# Altium PCB DDR3.PcbDoc (part 6 of 6)
Units mm, origin at the board's own origin, x right, y up, seen from the top; angles counter-clockwise.
Board outline 67.6 x 30 mm, 8 copper layers (L1 Top, L2 GND, L3 Sig, L4 (PWR), L5 (PWR), L6 Sig, L7 GND, L8 Bot), stack 1.714 mm thick; 216 components, 253 nets, 1243 pads, 806 vias.
Unrouted connection lines stored in the file: 13.
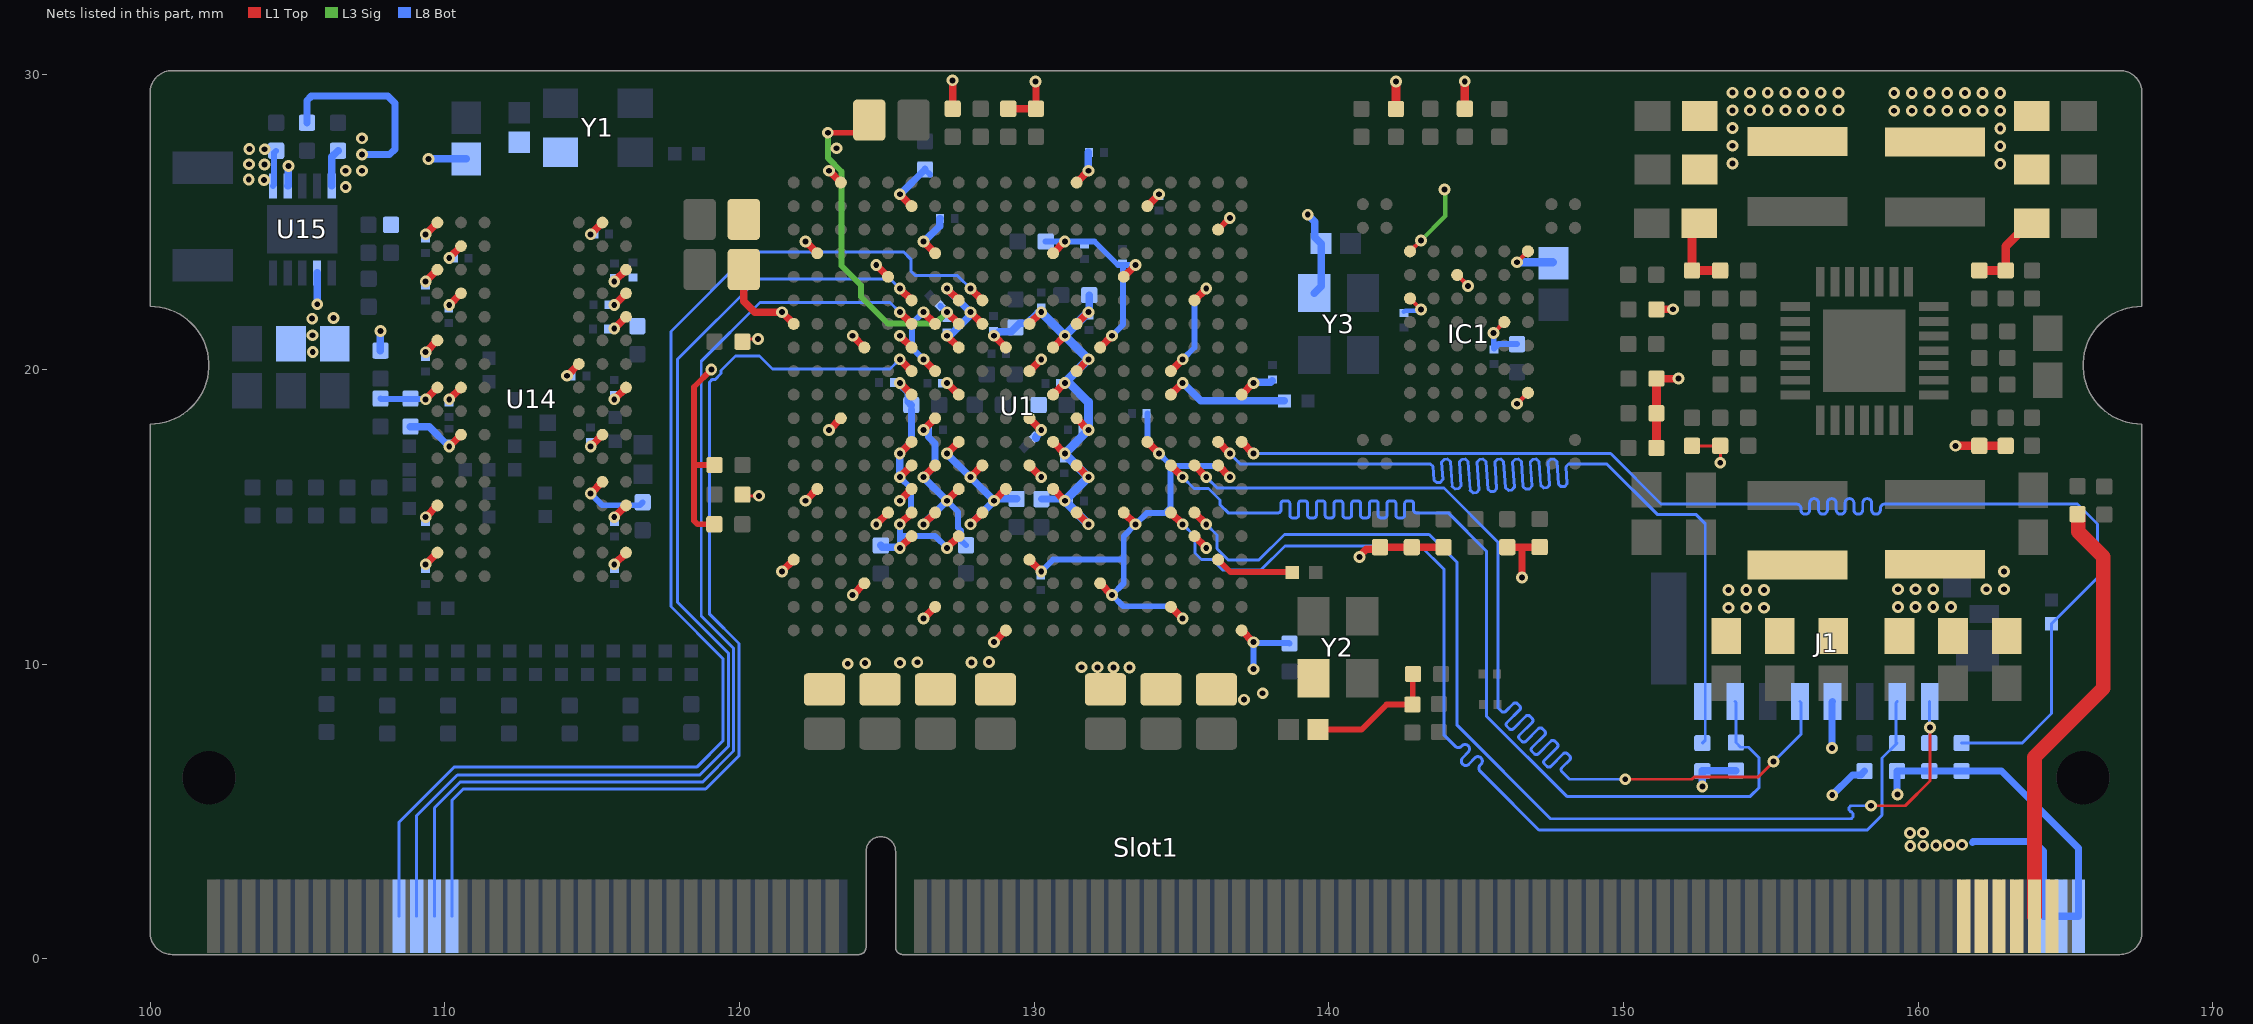
[diagram p12: the nets of this part, all layers, seen from the top]

## Via types
v1: diameter 0.4, hole 0.2, L1 Top to L8 Bot, 802 vias
v2: diameter 0.5, hole 0.2, L1 Top to L8 Bot, 4 vias

## Nets (pads, with @x,y where several pads share a name; then routed paths per layer and width w, separated by ;. In a path a pad name is that pad's centre, name@x,y a point inside that pad or via, vN(x,y) a via of type N, cw(c..) or ccw(c..) an arc to the next point about the centre after c; other vN are vias at no path point) (continued)
SD_DAT0: J1.P7 R89.1 U1.N17 | length 39.1
  L1 Top w0.254: U1.N17@134.645,16.751 v1(135.045,16.351)
  L8 Bot w0.1: v1(135.045,16.351) 135.426,15.97 135.92,15.97 136.315,15.575 136.315,15.414 136.589,15.14 138.23,15.14 138.28,15.14 ccw(c138.28,15.24) 138.38,15.24 138.38,15.458 cw(c138.47,15.458) 138.47,15.548 138.59,15.548 cw(c138.59,15.458) 138.68,15.458 138.68,15.062 ccw(c138.77,15.062) 138.77,14.972 138.89,14.972 ccw(c138.89,15.062) 138.98,15.062 138.98,15.458 cw(c139.07,15.458) 139.07,15.548 139.19,15.548 cw(c139.19,15.458) 139.28,15.458 139.28,15.062 ccw(c139.37,15.062) 139.37,14.972 139.49,14.972 ccw(c139.49,15.062) 139.58,15.062 139.58,15.458 cw(c139.67,15.458) 139.67,15.548 139.79,15.548 cw(c139.79,15.458) 139.88,15.458 139.88,15.062 ccw(c139.97,15.062) 139.97,14.972 140.09,14.972 ccw(c140.09,15.062) 140.18,15.062 140.18,15.458 cw(c140.27,15.458) 140.27,15.548 140.39,15.548 cw(c140.39,15.458) 140.48,15.458 140.48,15.062 ccw(c140.57,15.062) 140.57,14.972 140.69,14.972 ccw(c140.69,15.062) 140.78,15.062 140.78,15.458 cw(c140.87,15.458) 140.87,15.548 140.99,15.548 cw(c140.99,15.458) 141.08,15.458 141.08,15.062 ccw(c141.17,15.062) 141.17,14.972 141.29,14.972 ccw(c141.29,15.062) 141.38,15.062 141.38,15.458 cw(c141.47,15.458) 141.47,15.548 141.59,15.548 cw(c141.59,15.458) 141.68,15.458 141.68,15.062 ccw(c141.77,15.062) 141.77,14.972 141.89,14.972 ccw(c141.89,15.062) 141.98,15.062 141.98,15.458 cw(c142.07,15.458) 142.07,15.548 142.19,15.548 cw(c142.19,15.458) 142.28,15.458 142.28,15.062 ccw(c142.37,15.062) 142.37,14.972 142.49,14.972 ccw(c142.49,15.062) 142.58,15.062 142.58,15.458 cw(c142.67,15.458) 142.67,15.548 142.79,15.548 cw(c142.79,15.458) 142.88,15.458 142.88,15.24 ccw(c142.98,15.24) 142.98,15.14 143.45,15.14 144.06,15.14 145.35,13.85 145.35,8.25 148.08,5.52 154.31,5.52 154.6,5.81 154.6,6.83 154.245,7.185 153.98,7.185 R89.1@153.82,7.345 153.82,8.71 J1.P7@153.795,8.735
SD_DAT1: J1.P8 R88.1 U1.M19 | length 39.1
  L1 Top w0.254: U1.M19@136.245,17.551 v1(136.645,17.151)
  L8 Bot w0.1: v1(136.645,17.151) 136.996,16.8 143.096,16.8 143.446,16.8 143.543,16.717 143.576,16.25 143.672,16.166 143.791,16.175 143.875,16.271 143.833,16.86 143.917,16.956 144.036,16.965 144.132,16.881 144.192,16.036 144.288,15.952 144.408,15.961 144.491,16.057 144.435,16.86 144.518,16.956 144.638,16.965 144.734,16.881 144.803,15.904 144.899,15.82 145.019,15.829 145.102,15.925 145.036,16.86 145.12,16.956 145.239,16.965 145.335,16.881 145.402,15.946 145.498,15.863 145.617,15.871 145.701,15.967 145.638,16.86 145.721,16.956 145.841,16.965 145.937,16.881 146,15.988 146.096,15.905 146.216,15.913 146.299,16.009 146.239,16.86 146.323,16.956 146.442,16.965 146.538,16.881 146.599,16.031 146.695,15.947 146.814,15.956 146.898,16.052 146.841,16.86 146.924,16.956 147.044,16.965 147.14,16.881 147.197,16.073 147.293,15.99 147.413,15.998 147.496,16.094 147.442,16.86 147.526,16.956 147.645,16.965 147.741,16.881 147.796,16.115 147.892,16.032 148.011,16.04 148.095,16.136 148.055,16.704 148.138,16.8 148.614,16.8 149.44,16.8 151.15,15.09 152.46,15.09 152.78,14.77 152.78,7.425 R88.1@152.68,7.325
SD_DAT2: J1.P1 R87.1 U1.R18 | length 37.7
  L1 Top w0.1: v1(158.4,5.2) 159.57,5.2 160.407,6.037 v1(160.407,7.857)
  L1 Top w0.254: U1.R18@135.445,15.151 v1(135.845,14.751)
  L3 Sig w0.1: v1@160.392,7.857 v1(160.407,7.857)
  L8 Bot w0.1: v1(135.845,14.751) 136.205,14.391 136.205,13.924 136.589,13.54 137.63,13.54 138.5,14.41 143.409,14.41 144.36,13.459 144.36,7.93 147.53,4.76 157.737,4.76 157.796,4.819 157.796,4.938 157.737,4.996 157.72,4.996 157.658,5.059 157.658,5.141 157.716,5.2 v1(158.4,5.2) ; R87.1@160.382,7.325 160.382,8.722 J1.P1@160.395,8.735
SD_DAT3: J1.P2 R86.1 U1.R17 | length 38.5
  L1 Top w0.254: U1.R17@134.645,15.151 v1(135.045,14.751)
  L8 Bot w0.1: v1(135.045,14.751) 135.46,14.336 135.46,13.78 135.68,13.56 136.05,13.56 136.414,13.196 137.689,13.196 138.514,14.02 143.12,14.02 143.92,13.22 143.92,7.982 143.92,7.59 144.292,7.218 ccw(c144.399,7.324) 144.507,7.221 144.519,7.233 cw(c144.628,7.13) 144.731,7.239 cw(c144.628,7.13) 144.737,7.027 144.542,6.82 ccw(c144.651,6.717) 144.547,6.608 ccw(c144.651,6.717) 144.76,6.614 144.955,6.821 cw(c145.064,6.718) 145.167,6.827 cw(c145.064,6.718) 145.173,6.615 145.138,6.578 ccw(c145.247,6.475) 145.141,6.369 145.378,6.132 145.414,6.096 147.13,4.38 158.28,4.38 158.78,4.88 158.78,6.821 R86.1@159.284,7.325 ; R86.1@159.254,7.325 159.254,8.694 J1.P2@159.295,8.735
SD_NCD: R48.2 R91.1 U1.M20 | length 44.4
  L1 Top w0.254: U1.M20@137.045,17.551 v1(137.445,17.151)
  L8 Bot w0.1: v1(137.445,17.151) 149.569,17.151 151.28,15.44 155.523,15.44 155.873,15.44 cw(c155.873,15.29) 156.023,15.29 156.023,15.244 ccw(c156.173,15.244) 156.323,15.244 156.323,15.473 cw(c156.473,15.473) 156.623,15.473 156.623,15.244 ccw(c156.773,15.244) 156.923,15.244 156.923,15.473 cw(c157.073,15.473) 157.223,15.473 157.223,15.244 ccw(c157.373,15.244) 157.523,15.244 157.523,15.473 cw(c157.673,15.473) 157.823,15.473 157.823,15.244 ccw(c157.973,15.244) 158.123,15.244 158.123,15.473 cw(c158.273,15.473) 158.423,15.473 158.423,15.244 ccw(c158.573,15.244) 158.723,15.244 158.723,15.29 cw(c158.873,15.29) 158.873,15.44 159.111,15.44 165.41,15.44 166.09,14.76 166.09,12.94 R48.2@164.53,11.38 164.53,8.33 163.525,7.325 R91.1@161.48,7.325
SD_SCK: J1.P5 U1.N18 | length 36.7
  L1 Top w0.1: v1(150.065,6.1) 152.323,6.1 152.403,6.18 154.58,6.18 v1(155.1,6.7)
  L1 Top w0.254: U1.N18@135.445,16.751 v1(135.845,16.351)
  L8 Bot w0.1: v1(135.845,16.351) 136.216,15.98 143.91,15.98 145.75,14.14 145.75,8.52 145.831,8.439 145.866,8.404 ccw(c145.937,8.474) 146.008,8.404 146.271,8.667 cw(c146.334,8.603) 146.398,8.667 146.483,8.582 cw(c146.419,8.518) 146.483,8.454 146.049,8.021 ccw(c146.113,7.958) 146.049,7.894 146.134,7.809 ccw(c146.198,7.873) 146.262,7.809 146.695,8.242 cw(c146.758,8.179) 146.822,8.242 146.907,8.157 cw(c146.843,8.094) 146.907,8.03 146.474,7.597 ccw(c146.537,7.533) 146.474,7.47 146.559,7.385 ccw(c146.622,7.448) 146.686,7.385 147.119,7.818 cw(c147.183,7.754) 147.246,7.818 147.331,7.733 cw(c147.268,7.67) 147.331,7.606 146.898,7.173 ccw(c146.962,7.109) 146.898,7.045 146.983,6.961 ccw(c147.046,7.024) 147.11,6.961 147.543,7.394 cw(c147.607,7.33) 147.671,7.394 147.755,7.309 cw(c147.692,7.245) 147.755,7.182 147.322,6.748 ccw(c147.386,6.685) 147.322,6.621 147.407,6.536 ccw(c147.471,6.6) 147.534,6.536 147.968,6.97 cw(c148.031,6.906) 148.095,6.97 148.18,6.885 cw(c148.116,6.821) 148.18,6.757 147.917,6.495 ccw(c147.988,6.424) 147.917,6.353 148.17,6.1 148.213,6.1 v1(150.065,6.1) ; v1(155.1,6.7) 156.025,7.625 156.025,8.705 J1.P5@155.995,8.735
SYSCLK: R56.1 U1.U19 | length 2.7
  L1 Top w0.2: U1.U19@136.245,13.551 136.645,13.151 136.662,13.134 138.746,13.134 R56.1@138.76,13.12
SYSCLK2: R62.1 U1.K17 | length 4.3
  L1 Top w0.254: U1.K17@134.645,19.151 v1(135.045,19.551)
  L8 Bot w0.254: v1(135.045,19.551) 135.656,18.94 R62.1@138.5,18.94
TCK: Slot1.22 U1.F9 | length 42.6
  L1 Top w0.254: v1(127.845,22.751) U1.F9@128.245,22.351
  L8 Bot w0.1: Slot1.22@108.45,1.45 108.45,4.64 110.32,6.51 118.55,6.51 119.439,7.399 119.439,10.201 117.679,11.961 117.679,21.299 120.38,24 125.566,24 125.82,23.746 125.82,23.345 125.975,23.19 127.406,23.19 v1(127.845,22.751)
TDI: Slot1.26 U1.G6 | length 36.6
  L1 Top w0.254: v1(125.445,21.951) U1.G6@125.845,21.551
  L8 Bot w0.1: Slot1.26@109.65,1.45 109.65,5.13 110.528,6.008 118.758,6.008 119.804,7.054 119.804,10.546 118.706,11.644 118.706,20.288 120.699,22.281 125.115,22.281 v1(125.445,21.951)
TDO: Slot1.24 U1.F6 | length 38.2
  L1 Top w0.254: v1(125.445,22.751) U1.F6@125.845,22.351
  L8 Bot w0.1: Slot1.24@109.05,1.45 109.05,4.87 110.428,6.248 118.658,6.248 119.624,7.214 119.624,10.386 117.903,12.107 117.903,20.353 120.631,23.081 125.119,23.081 125.445,22.755 v1(125.445,22.751)
TMS: Slot1.28 U1.J6 | length 35.2
  L1 Top w0.254: v1(125.445,20.351) U1.J6@125.845,19.951
  L8 Bot w0.1: Slot1.28@110.25,1.45 110.25,5.39 110.628,5.768 118.858,5.768 119.984,6.894 119.984,10.706 118.992,11.698 118.992,19.583 119.082,19.673 119.186,19.673 119.379,19.866 119.379,19.97 119.869,20.46 120.687,20.46 121.126,20.021 125.115,20.021 v1(125.445,20.351)
VCC1V0: C36.1 C37.1 C38.1 C39.2 C43.1 C44.1 C45.1 C46.1 C47.1 C48.1 C49.1 C54.1 C55.1 C56.1 C57.1 C58.1 C65.2 C66.2 C67.2 L5.2 R46.2 U1.G7 U1.G11 U1.G13 U1.H10 U1.H12 U1.J7 U1.J13 U1.K12 U1.L7 U1.L13 U1.M12 U1.N7 U1.N13 U1.P8 U1.P12 U1.R7 U1.R13 | length 33.5
  L1 Top w0.1: R46.2@152.33,17.416 C39.2@153.285,17.416 153.29,17.411 v1(153.29,16.84)
  L1 Top w0.254: v1(126.245,14.751) U1.R7@126.645,15.151 ; v1(126.245,16.351) U1.N7@126.645,16.751 ; v1(126.245,17.951) U1.L7@126.645,18.351 ; v1(126.245,20.351) U1.J7@126.645,19.951 ; v1(126.245,21.951) U1.G7@126.645,21.551 ; v1(127.045,15.551) U1.P8@127.445,15.951 ; v1(128.645,21.151) U1.H10@129.045,20.751 ; U1.G11@129.845,21.551 v1(130.245,21.951) ; U1.P12@130.645,15.951 v1(131.045,15.551) ; U1.M12@130.645,17.551 v1(131.045,17.151) ; U1.K12@130.645,19.151 v1(131.045,19.551) ; U1.H12@130.645,20.751 v1(131.045,21.151) ; U1.R13@131.445,15.151 v1(131.845,14.751) ; U1.N13@131.445,16.751 v1(131.845,16.351) ; U1.L13@131.445,18.351 v1(131.845,17.951) ; U1.J13@131.445,19.951 v1(131.845,20.351) ; U1.G13@131.445,21.551 v1(131.845,21.951)
  L8 Bot w0.2: v1(126.245,20.351) 125.865,20.731 125.865,21.571 v1(126.245,21.951) ; v1(127.045,15.551) 127.425,15.171 127.425,14.634 127.519,14.54 127.519,14.214 C66.2@127.694,14.039
  L8 Bot w0.24: v1(126.245,16.351) 126.645,16.751 126.645,17.493 126.422,17.717 126.422,17.928 C49.1@126.392,17.928 ; v1(126.245,17.951) C49.1@126.322,17.874 ; C45.1@130.25,15.603 130.949,15.603 131.002,15.551 v1(131.045,15.551) ; v1(131.845,21.951) 131.875,21.981 C55.1@131.875,22.53
  L8 Bot w0.25: v1(126.245,14.751) v1(127.045,15.551) v1(126.245,16.351)
  L8 Bot w0.254: v1(128.645,21.151) 128.685,21.151 128.821,21.287 129.222,21.287 129.509,21.574 129.772,21.574 130.121,21.923 130.217,21.923 v1(130.245,21.951)
  L8 Bot w0.3: v1(130.245,21.951) v1(131.045,21.151) ; v1(131.845,14.751) v1(131.045,15.551) v1(131.845,16.351) v1(131.045,17.151) v1(131.845,17.951) 131.845,18.9 131.213,19.532 131.064,19.532 v1(131.045,19.551) v1(131.845,20.351) v1(131.045,21.151) ; v1(131.845,21.951) v1(131.045,21.151)
  other v1: 137.13,8.8 131.61,9.9 132.154,9.898 132.699,9.897 133.243,9.895 153.572,11.919 154.172,11.919 154.772,11.919 153.572,12.519 154.172,12.519 154.772,12.519
VCC1V5: C10.2 C11.2 C12.2 C13.2 C14.2 C15.2 C16.2 C17.2 C18.2 C19.2 C20.2 C21.2 C22.2 C23.2 C25.2 C26.2 C27.2 C28.2 C87.1 C88.1 C89.1 C90.2 C104.2 C114.1 C115.2 C116.2 C117.1 C121.1 C122.1 L6.2 R41.1 R47.2 U14.A1 U14.A8 U14.B2 U14.C1 U14.C9 U14.D2 U14.D9 U14.E9 U14.F1 U14.G7 U14.H2 U14.H9 U14.K2 U14.K8 U14.N1 U14.N9 U14.R1 U14.R9 U15.2 | length 16.6
  L1 Top w0.254: v1(109.354,13.393) U14.R1@109.754,13.793 ; v1(109.354,14.993) U14.N1@109.754,15.393 ; v1(109.354,20.593) U14.F1@109.754,20.993 ; v1(109.354,22.993) U14.C1@109.754,23.393 ; v1(109.354,24.593) U14.A1@109.754,24.993 ; v1(110.154,17.393) U14.K2@110.554,17.793 ; v1(110.154,18.993) U14.H2@110.554,19.393 ; v1(110.154,22.193) U14.D2@110.554,22.593 ; v1(110.154,23.793) U14.B2@110.554,24.193 ; v1(114.154,19.793) U14.G7@114.554,20.193 ; v1(114.954,17.393) U14.K8@115.354,17.793 ; v1(114.954,24.593) U14.A8@115.354,24.993 ; v1(115.754,13.393) U14.R9@116.154,13.793 ; v1(115.754,14.993) U14.N9@116.154,15.393 ; v1(115.754,18.993) U14.H9@116.154,19.393 ; v1(115.754,21.393) U14.E9@116.154,21.793 ; v1(115.754,22.193) U14.D9@116.154,22.593 ; v1(115.754,22.993) U14.C9@116.154,23.393
  L1 Top w0.3: v1(161.271,17.416) R47.2@162.081,17.416 C90.2@162.976,17.416
  L8 Bot w0.254: U15.2@105.67,23.285 105.67,22.224 v1(105.674,22.22) ; C104.2@107.82,20.645 v1(107.82,21.31) ; C28.2@108.839,18.067 109.473,18.067 110.147,17.393 v1(110.154,17.393) ; v1@109.314,13.393 v1(109.354,13.393) ; v1(109.45,27.15) C114.1@110.73,27.149 ; C22.2@110.132,18.993 v1(110.154,18.993)
  other v1: 159.318,11.949 159.918,11.949 160.518,11.949 161.118,11.949 159.318,12.549 159.918,12.549 160.518,12.549 162.318,12.549 162.918,12.549 162.918,13.149 105.523,20.602 105.513,21.166 105.503,21.73 106.23,21.75
VCC1V8: C51.2 C52.2 C53.2 C59.2 C60.2 C61.2 C91.1 C92.1 C93.1 C94.2 FB2.2 L7.2 R44.2 U1.A3 U1.D2 U1.E5 U1.F8 U1.G1 U1.G9 U1.H4 U1.H8 U1.J11 U1.K8 U1.L3 U1.L11 U1.M8 U1.N9 U1.N11 U1.P2 U1.P10 U1.R5 U1.R9 U1.U1 U1.V4 | length 24.2
  L1 Top w0.254: C61.2@120.15,23.4 120.15,22.323 120.522,21.951 v1(121.445,21.951) ; v1(121.445,13.151) U1.U1@121.845,13.551 ; v1@121.446,21.952 U1.G1@121.845,21.551 U1.G1@121.845,21.551 ; v1(122.245,15.551) U1.P2@122.645,15.951 ; v1(122.245,24.351) U1.D2@122.645,23.951 ; v1(123.045,17.951) U1.L3@123.445,18.351 ; v1(123.045,26.751) U1.A3@123.445,26.351 ; v1(123.845,12.351) U1.V4@124.245,12.751 ; v1(123.845,21.151) U1.H4@124.245,20.751 ; v1(124.645,14.751) U1.R5@125.045,15.151 ; v1(124.645,23.551) U1.E5@125.045,23.151 ; v1(127.045,17.151) U1.M8@127.445,17.551 ; v1(127.045,19.551) U1.K8@127.445,19.151 ; v1(127.045,21.151) U1.H8@127.445,20.751 ; v1(127.045,22.751) U1.F8@127.445,22.351 ; v1(127.845,14.751) U1.R9@128.245,15.151 ; v1(127.845,16.351) U1.N9@128.245,16.751 ; v1(127.845,21.951) U1.G9@128.245,21.551 ; v1(128.645,15.551) U1.P10@129.045,15.951 ; U1.N11@129.845,16.751 v1(130.245,16.351) ; U1.L11@129.845,18.351 v1(130.245,17.951) ; U1.J11@129.845,19.951 v1(130.245,20.351)
  L1 Top w0.3: R44.2@162.08,23.369 C94.2@162.974,23.369 162.974,24.184 163.76,24.97 C93.1@163.858,24.97
  L8 Bot w0.254: v1(127.045,17.151) v1(127.845,16.351) v1(128.645,15.551) ; v1(127.045,21.151) FB2.2@127.136,21.151 ; v1(127.045,22.751) v1(127.845,21.951) 127.817,21.923 127.817,21.832 127.209,21.224 127.158,21.224 127.112,21.179 FB2.2@127.112,21.151 ; v1(127.845,14.751) v1(128.645,15.551) ; C60.2@129.41,15.615 128.749,15.615 128.685,15.551 v1(128.645,15.551) ; C59.2@130.077,17.677 130.066,17.687 130.066,17.699 130.077,17.709 130.077,17.743 130.245,17.911 v1(130.245,17.951)
  other v1: 162.79,26.985 123.293,27.512 162.79,27.585 162.79,28.185 159.19,28.785 159.79,28.785 160.39,28.785 160.99,28.785 161.59,28.785 162.19,28.785 162.79,28.785 159.19,29.385 159.79,29.385 160.39,29.385 160.99,29.385 161.59,29.385 162.19,29.385 162.79,29.385
VCC3V3: C1.2 C2.2 C3.2 C6.2 C8.2 C9.2 C24.1 C62.1 C63.1 C64.1 C68.2 C69.1 C70.1 C71.1 C72.1 C73.1 C74.1 C75.1 C76.1 C77.1 C78.1 C79.1 C80.1 C81.1 C82.1 C95.1 C120.2 C140.1 C141.1 C142.1 IC1.D3 IC1.G4 IC1.H8 IC1.J6 IC1.K3 IC1.K8 J1.P4 L8.2 R2.2 R3.2 R5.2 R6.1 R7.2 R8.2 R9.1 R10.2 R11.2 R13.2 R17.2 R18.2 R19.2 R20.2 R21.2 R22.2 R26.2 R30.2 R43.1 R45.2 R86.2 R87.2 R88.2 R89.2 R90.2 R91.2 Slot1.200 Slot1.202 Slot1.204 U1.A13 U1.B6 U1.B16 U1.C19 U1.D7 U1.D12 U1.E15 U1.F18 U1.H14 U1.J17 U1.K6 U1.K20 U1.M6 U1.M16 U1.N6 U1.N19 U1.R6 U1.R15 U1.T6 U1.T8 U1.T18 U1.U11 U1.V14 U1.W7 U1.W17 U1.Y10 U1.Y20 U15.7 U15.10 Y1.4 Y2.4 Y3.4 | length 122.7
  L1 Top w0.1: C95.1@152.45,24.849 C95.1@152.572,24.97
  L1 Top w0.15: IC1.H8@142.761,22.415 v1(143.132,22.044) ; IC1.K8@142.761,24.015 v1(143.132,24.386) ; IC1.J6@144.361,23.215 v1(144.732,22.844) ; v1(145.59,21.244) IC1.G4@145.961,21.615 ; v1(146.39,18.844) IC1.D3@146.761,19.215 ; v1(146.39,23.644) IC1.K3@146.761,24.015
  L1 Top w0.2: v1(119.049,20.003) 119.049,19.999 118.46,19.41 118.46,16.765 ; R5.2@119.151,14.754 118.577,14.754 118.46,14.871 118.46,16.765 ; R9.1@119.155,16.765 118.46,16.765 ; U1.C19@136.245,24.751 v1(136.645,25.151) ; C2.2@139.64,7.79 141.12,7.79 141.965,8.635 R6.1@142.84,8.635 142.852,8.648 142.852,9.657 R10.2@142.865,9.67
  L1 Top w0.24: R3.2@129.126,28.855 R2.2@130.063,28.855 130.063,29.767 v1(130.05,29.78)
  L1 Top w0.254: v1(125.445,13.951) U1.T6@125.845,14.351 ; v1(125.445,14.751) U1.R6@125.845,15.151 ; v1(125.445,16.351) U1.N6@125.845,16.751 ; v1(125.445,17.151) U1.M6@125.845,17.551 ; v1(125.445,19.551) U1.K6@125.845,19.151 ; v1(125.445,25.951) U1.B6@125.845,25.551 ; v1(126.245,11.551) U1.W7@126.645,11.951 ; v1(126.245,24.351) U1.D7@126.645,23.951 ; v1(127.045,13.951) U1.T8@127.445,14.351 ; v1(127.23,29.819) 127.24,29.809 R30.2@127.24,28.855 ; v1(128.645,10.751) U1.Y10@129.045,11.151 ; U1.U11@129.845,13.551 v1(130.245,13.151) ; U1.D12@130.645,23.951 v1(131.045,24.351) ; U1.A13@131.445,26.351 v1(131.845,26.751) ; U1.V14@132.245,12.751 v1(132.645,12.351) ; U1.H14@132.245,20.751 v1(132.645,21.151) ; U1.R15@133.045,15.151 v1(133.445,14.751) ; U1.E15@133.045,23.151 v1(133.445,23.551) ; U1.M16@133.845,17.551 v1(134.245,17.151) ; U1.B16@133.845,25.551 v1(134.245,25.951) ; U1.W17@134.645,11.951 v1(135.045,11.551) ; U1.J17@134.645,19.951 v1(135.045,20.351) ; U1.T18@135.445,14.351 v1(135.845,13.951) ; U1.F18@135.445,22.351 v1(135.845,22.751) ; U1.N19@136.245,16.751 v1(136.645,16.351) ; U1.Y20@137.045,11.151 v1(137.445,10.751) ; U1.K20@137.045,19.151 v1(137.445,19.551) ; v1(141.05,13.64) 141.078,13.668 141.078,13.71 141.272,13.903 141.668,13.903 R18.2@141.74,13.976 R21.2@142.82,13.976 R19.2@143.9,13.976 ; R17.2@146.06,13.976 146.56,13.976 v1(146.56,12.95) ; 146.56,13.978 147.158,13.978 R22.2@147.16,13.98 ; R26.2@151.12,19.696 v1@151.87,19.696 ; R7.2@151.12,22.046 151.122,22.048 151.678,22.048 v1(151.68,22.05)
  L1 Top w0.3: R8.2@142.28,28.851 v1(142.28,29.78) ; R11.2@144.619,28.855 v1(144.619,29.784) ; R20.2@151.12,17.345 R13.2@151.12,18.52 R26.2@151.12,19.696 ; C95.1@152.45,24.849 152.329,24.727 R45.2@152.329,23.369 152.331,23.367 153.283,23.367 C142.1@153.285,23.365
  L3 Sig w0.15: v1(143.132,24.386) 143.96,25.214 143.96,26.14 143.934,26.114 v1(143.931,26.114)
  L3 Sig w0.24: v1(157.08,7.16) v1@157.085,7.155 ; v1@157.085,5.565 v1(157.09,5.56)
  L8 Bot w0.15: C8.2@142.55,21.961 142.591,22.002 143.091,22.002 v1(143.132,22.044) ; C24.1@147.597,23.644 C24.1@147.63,23.611
  L8 Bot w0.2: v1(125.445,13.951) 125.445,14.351 ; v1(125.445,16.351) 125.825,15.971 125.825,15.131 v1(125.445,14.751) 125.445,14.351 ; v1(125.445,25.951) v1@125.456,25.951 ; C80.1@126.3,26.795 C80.1@126.475,26.62 ; v1(127.045,13.951) 126.645,14.351 125.445,14.351 ; C79.1@130.207,13.113 v1(130.245,13.151) 130.645,13.551 133.045,13.551 ; C70.1@130.395,24.35 132.05,24.35 132.849,23.551 C76.1@133.025,23.551 ; v1(132.645,21.151) 133.025,21.531 C76.1@133.025,23.551 ; v1(133.445,23.551) C76.1@133.025,23.551 ; C73.1@133.85,18.51 133.85,17.546 v1(134.245,17.151) 134.581,16.815 134.581,16.731 134.625,16.731 ; v1(135.045,11.551) 134.626,11.97 133.026,11.97 v1(132.645,12.351) 133.045,12.751 133.045,13.551 ; v1(135.045,20.351) 135.445,20.751 135.445,22.351 v1(135.845,22.751) ; v1(136.645,16.351) 136.265,16.731 134.625,16.731 ; v1(137.445,9.835) v1(137.445,10.751) 137.468,10.728 138.647,10.728 C81.1@138.67,10.705 ; v1(145.59,21.244) 145.6,21.234 145.6,20.731 145.61,20.721 145.62,20.721 145.764,20.865 C6.2@146.39,20.865 ; 133.045,13.551 133.045,14.351 v1(133.445,14.751) 133.825,15.131 134.441,15.131 134.625,15.315 134.625,16.731
  L8 Bot w0.24: R43.1@105.33,28.38 105.33,29.139 105.471,29.28 108.07,29.28 108.31,29.04 108.31,27.48 108.13,27.3 v1(107.19,27.3) ; v1(125.445,17.151) 125.845,17.551 C71.1@125.845,18.644 ; v1(157.08,7.16) 157.087,7.167 157.087,8.727 J1.P4@157.095,8.735 ; v1(157.09,5.56) 157.776,6.246 158.058,6.246 R90.2@158.187,6.375 ; v1(159.301,5.583) 159.284,5.599 R86.2@159.284,6.375 R87.2@160.382,6.375 R91.2@161.48,6.375 162.835,6.375 165.45,3.76 Slot1.204@165.45,1.45 Slot1.202@164.85,1.45 Slot1.200@164.25,1.45 164.25,3.66 163.93,3.98 161.87,3.98 161.85,3.96
  L8 Bot w0.25: v1@125.456,25.951 C80.1@126.3,26.795
  L8 Bot w0.254: U15.7@104.67,26.235 104.683,26.248 104.683,26.889 v1(104.702,26.908) ; U15.10@106.17,26.235 106.17,27.22 C120.2@106.38,27.43 ; C63.1@124.8,14.035 124.856,13.979 125.417,13.979 v1(125.445,13.951) ; v1(125.445,16.351) v1(125.445,17.151) ; v1(125.445,19.551) 125.445,19.511 125.726,19.231 125.726,18.908 C71.1@125.834,18.799 ; v1(126.245,24.351) 126.279,24.351 126.802,24.874 126.802,25.122 C78.1@126.81,25.13 ; C64.1@131.839,27.37 131.842,27.367 131.842,26.754 v1(131.845,26.751) ; v1(137.445,19.551) 137.473,19.579 138.041,19.579 C77.1@138.09,19.628 ; v1(139.29,25.26) 139.529,25.021 139.529,24.491 C3.2@139.74,24.28 139.74,22.825 Y3.4@139.515,22.6 ; v1(152.68,5.85) 152.68,6.395 R89.2@153.82,6.395
  L8 Bot w0.3: v1(146.39,23.644) C24.1@147.597,23.644
  other v1: 159.735,3.835 160.175,3.845 160.615,3.855 161.055,3.865 161.495,3.875 159.725,4.275 160.165,4.285 137.76,9.02 123.68,10.02 124.27,10.04 125.45,10.05 126.04,10.07 127.88,10.06 128.47,10.08 151.873,19.699 106.64,26.2 106.64,26.75 107.19,26.75 153.7,27 153.7,27.6 107.19,27.85 153.7,28.2 153.7,28.8 154.3,28.8 154.9,28.8 155.5,28.8 156.1,28.8 156.7,28.8 157.3,28.8 153.7,29.4 154.3,29.4 154.9,29.4 155.5,29.4 156.1,29.4 156.7,29.4 157.3,29.4
VCC5V: L3.1 Slot1.191 Slot1.193 Slot1.195 Slot1.197 Slot1.199 Slot1.201 | length 15
  L1 Top w0.5: Slot1.199@163.95,1.45 163.95,6.85 166.29,9.19 166.29,13.65 165.435,14.505 165.435,15.07 L3.1@165.41,15.095
VCCPLL: C83.2 C84.1 FB2.1 U1.G8 | length 12
  L1 Top w0.2: v1(123.002,28.04) 123.98,28.04 C84.1@124.41,28.47
  L1 Top w0.254: v1(127.045,21.951) U1.G8@127.445,21.551
  L3 Sig w0.2: v1(123.002,28.04) 123.013,28.029 123.013,27.179 123.465,26.727 123.465,23.527 124.125,22.867 124.125,22.475 125.03,21.57 126.664,21.57 v1(127.045,21.951)
  L8 Bot w0.2: C83.2@126.817,22.163 126.825,22.163 127.037,21.951 v1(127.045,21.951)
VTTREF: C28.1 C29.2 C85.2 C86.2 C103.2 C110.2 U1.H6 U1.P6 U14.H1 U14.M8 U15.6 | length 8.2
  L1 Top w0.1: C86.2@120.105,15.76 120.146,15.719 v1(120.671,15.719) ; C85.2@120.105,20.95 120.195,21.04 v1(120.63,21.04)
  L1 Top w0.254: v1(109.354,18.993) U14.H1@109.754,19.393 ; v1(114.954,15.793) U14.M8@115.354,16.193 ; v1(125.445,15.551) U1.P6@125.845,15.951 ; v1(125.445,21.151) U1.H6@125.845,20.751
  L8 Bot w0.2: U15.6@104.17,26.235 104.21,26.275 104.21,27.36 C110.2@104.28,27.43 ; C29.2@107.823,19.017 107.835,19.005 109.342,19.005 v1(109.354,18.993) ; v1(114.954,15.793) 115.347,15.4 116.62,15.4 C103.2@116.72,15.5
  other v1: 103.35,26.45 103.87,26.44 103.88,26.96 103.36,26.97 103.37,27.49 103.89,27.48
pads on no net: IC1.A1 IC1.A2 IC1.A9 IC1.A10 IC1.B1 IC1.B9 IC1.B10 IC1.D6 IC1.D7 IC1.D8 IC1.E3 IC1.E4 IC1.E5 IC1.E6 IC1.E7 IC1.E8 IC1.F3 IC1.F4 IC1.F5 IC1.F6 IC1.F8 IC1.G6 IC1.G7 IC1.H3 IC1.H5 IC1.H6 IC1.H7 IC1.J3 IC1.J5 IC1.L1 IC1.L2 IC1.L9 IC1.L10 IC1.M1 IC1.M2 IC1.M9 IC1.M10 J1.G3 Slot1.14 Slot1.16 Slot1.18 Slot1.32 Slot1.106 Slot1.112 Slot1.118 Slot1.124 Slot1.130 Slot1.136 Slot1.142 Slot1.148 Slot1.154 Slot1.160 Slot1.166 Slot1.168 Slot1.170 Slot1.172 Slot1.174 Slot1.176 Slot1.178 Slot1.180 Slot1.182 Slot1.184 Slot1.186 Slot1.198 Slot1.203 Slot1.Un1 Slot1.Un2 U1.A7 U1.G5 U1.H5 U1.P1 U1.P3 U1.R1 U1.R2 U1.R3 U1.T1 U1.T2 U1.T4 U1.T5 U1.T9 U1.U2 U1.U3 U1.U4 U1.U5 U1.U7 U1.U8 U1.U9 U1.U10 U1.V1 U1.V2 U1.V3 U1.V5 U1.V6 U1.V7 U1.V8 U1.V10 U1.V11 U1.W1 U1.W3 U1.W4 U1.W5 U1.W6 U1.W8 U1.W9 U1.W10 U1.W11 U1.Y1 U1.Y2 U1.Y3 U1.Y4 U1.Y6 U1.Y7 U1.Y8 U1.Y9 U1.Y11 U1.Y12 U1.Y13 U14.J1 U14.J9 U14.L1 U14.L9 U14.M7 Y1.1 Y2.1 Y3.1

## Polygon pours and split planes (outlines as drawn)
DDRVTT on L4 (PWR) "DDRVTT_L04_P011" (solid, pour order 11): 107.016,14.75 107.016,4.41 102.31,4.41 101.79,4.93 101.79,20.72 100.69,21.82 100.681,23.896 103.414,23.896 105.062,23.896 105.062,19.958 106.312,19.958 107.016,19.254
VCC1V0 on L4 (PWR) "VCC1V0_L04_P002" (solid, pour order 2): 125.019,20.351 124.94,20.43 124.94,21.988 125.299,22.347 125.8,22.347 126.7,22.347 126.7,16.696 127.4,15.996 127.4,14.3 127.749,13.951 130.245,13.951 130.245,15.551 130.7,16.006 130.7,16.696 130.7,20.8 128.3,20.8 128.3,22.2 128.4,22.3 132.5,22.3 156.91,22.3 156.91,8.4 125.019,8.4
VCC1V8 on L4 (PWR) "VCC1V8_L04_P004" (solid, pour order 4): 164.4,22.43 164.27,22.3 130.7,22.3 130.7,13.951 124.99,13.951 124.99,8.4 122.34,8.4 121,9.74 121,30 158.8,30 158.808,29.979 164.221,29.979 164.4,29.8
VCC1V5 on L4 (PWR) "VCC1V5_L04_P001" (solid, pour order 1): 107.06,14.69 107.06,15.2 107.06,19.26 106.29,20.03 105.19,20.03 105.19,27.93 120.8,27.93 120.8,9.6 122.22,8.18 157.23,8.18 157.23,18.15 164.35,18.15 164.35,4.4 107.06,4.4
GND on L1 Top "L3(GND)-GND" (solid, remove dead copper, pour order 31): 100,0.9 ccw(c100.75,0.9) 100.75,0.15 124.05,0.15 ccw(c124.05,0.4) 124.3,0.4 124.3,3.65 cw(c124.8,3.65) 125.3,3.65 125.3,0.4 ccw(c125.55,0.4) 125.55,0.15 166.85,0.15 ccw(c166.85,0.9) 167.6,0.9 167.6,18.15 cw(c167.6,20.15) 167.6,22.15 167.6,29.4 ccw(c166.85,29.4) 166.85,30.15 100.749,30.15 ccw(c100.75,29.4) 100,29.4 100,22.15 cw(c100,20.15) 100,18.15
VCC1V0 on L1 Top "VCC1V0_L01_P028" (solid, pour order 28): 137.045,10.3 131.04,10.3 131.04,8.68 131.2,8.52 137.41,8.52 137.41,8.962 137.045,9.327
VCC3V3 on L1 Top "VCC3V3_L01_P017" (solid, pour order 17): 121.97,8.52 129.6,8.52 129.6,10.17 128.81,10.96 124.37,10.96 123.74,10.33 121.96,10.33
VCC5V on L1 Top "VCC5V_L01_P007" (solid, pour order 7): 165.15,2.475 167.1,4.425 167.1,5.6 167.1,13.2 165.7,14.6 165.7,15.3 165,15.3 165,9.2 164.4,8.6 161.55,5.75 161.55,2.475
GND on L8 Bot "L3(GND)-GND" (solid, pour order 12): 100,0.9 ccw(c100.75,0.9) 100.75,0.15 124.05,0.15 ccw(c124.05,0.4) 124.3,0.4 124.3,3.65 cw(c124.8,3.65) 125.3,3.65 125.3,0.4 ccw(c125.55,0.4) 125.55,0.15 166.85,0.15 ccw(c166.85,0.9) 167.6,0.9 167.6,18.15 cw(c167.6,20.15) 167.6,22.15 167.6,29.4 ccw(c166.85,29.4) 166.85,30.15 100.749,30.15 ccw(c100.75,29.4) 100,29.4 100,22.15 cw(c100,20.15) 100,18.15
VCC3V3 on L8 Bot "VCC3V3_L08_P016" (solid, pour order 16): 165.63,1.19 165.63,3.93 162.95,6.61 159.47,6.61 159.04,6.18 159.04,4.08 159.55,3.57 163.44,3.57 164.01,3 164.01,1.18
VCC1V0 on L8 Bot "VCC1V0_L08_P014" (solid, pour order 14): 130.63,15.07 131.21,14.49 132.06,14.49 132.22,14.65 132.22,22.83 132.15,22.9 129.25,22.9 128.31,21.96 128.31,20.96 128.39,20.88 130.17,20.88 130.63,20.42 130.63,19.76 130.63,15.09
DDRVTT on L8 Bot "DDRVTT_L08_P009" (solid, pour order 9): 107.34,17.12 106.67,17.79 102.21,17.79 101.79,17.37 101.79,16.14 102.35,15.58 110.66,15.58 110.954,15.286 110.954,14.72 113.021,14.72 114.42,16.119 116.59,18.289 116.59,19.3 113.43,19.3 111.95,20.78 110.87,20.78 110.87,17.33 110.66,17.12
GND on L7 GND "L3(GND)-GND" (solid, pour order 19): 100,0.9 ccw(c100.75,0.9) 100.75,0.15 124.05,0.15 ccw(c124.05,0.4) 124.3,0.4 124.3,3.65 cw(c124.8,3.65) 125.3,3.65 125.3,0.4 ccw(c125.55,0.4) 125.55,0.15 166.85,0.15 ccw(c166.85,0.9) 167.6,0.9 167.6,18.15 cw(c167.6,20.15) 167.6,22.15 167.6,29.4 ccw(c166.85,29.4) 166.85,30.15 100.749,30.15 ccw(c100.75,29.4) 100,29.4 100,22.15 cw(c100,20.15) 100,18.15
GND on L2 GND "L3(GND)-GND" (solid, pour order 24): 100,0.9 ccw(c100.75,0.9) 100.75,0.15 124.05,0.15 ccw(c124.05,0.4) 124.3,0.4 124.3,3.65 cw(c124.8,3.65) 125.3,3.65 125.3,0.4 ccw(c125.55,0.4) 125.55,0.15 166.85,0.15 ccw(c166.85,0.9) 167.6,0.9 167.6,18.15 cw(c167.6,20.15) 167.6,22.15 167.6,29.4 ccw(c166.85,29.4) 166.85,30.15 100.749,30.15 ccw(c100.75,29.4) 100,29.4 100,22.15 cw(c100,20.15) 100,18.15
VCC3V3 on L5 (PWR) "L3(GND)-GND" (solid, pour order 30): 100,0.9 ccw(c100.75,0.9) 100.75,0.15 124.05,0.15 ccw(c124.05,0.4) 124.3,0.4 124.3,3.65 cw(c124.8,3.65) 125.3,3.65 125.3,0.4 ccw(c125.55,0.4) 125.55,0.15 166.85,0.15 ccw(c166.85,0.9) 167.6,0.9 167.6,18.15 cw(c167.6,20.15) 167.6,22.15 167.6,29.4 ccw(c166.85,29.4) 166.85,30.15 100.749,30.15 ccw(c100.75,29.4) 100,29.4 100,22.15 cw(c100,20.15) 100,18.15
+PV on L5 (PWR) "+PV_L05_P029" (solid, remove dead copper, pour order 29): 167.37,25.72 154.44,25.72 152.01,23.29 152.01,18.9 155.84,15.07 163.13,15.07 166.52,15.07 167.37,15.92
VTTREF on L5 (PWR) "VTTREF_L05_P025" (solid, pour order 25): 104.29,26.94 104.29,27.86 104.13,28.02 102.37,28.02 102.29,27.94 102.29,24.09 103.23,23.15 103.23,19.75 105.15,17.83 107.1,17.83 110.48,14.45 126.04,14.45 126.04,16.42 117.86,16.42 117.86,20.46 126.04,20.46 126.04,21.73 125.49,22.28 112.01,22.28 107.74,26.55 104.68,26.55

## Keep-outs
Edge.Cuts:
  lines w0.1: 124.05,0.15 ccw(c124.05,0.4) 124.3,0.4 124.3,3.65 cw(c124.8,3.65) 125.3,3.65 125.3,0.4 ccw(c125.55,0.4) 125.55,0.15 ; 166.85,0.15 ccw(c166.85,0.9) 167.6,0.9 167.6,18.15 cw(c167.6,20.15) 167.6,22.15 167.6,29.4 ccw(c166.85,29.4) 166.85,30.15 100.749,30.15 ccw(c100.75,29.4) 100,29.4 100,22.15 cw(c100,20.15) 100,18.15 100,0.9 ; 100,0.9 ccw(c100.75,0.9) 100.75,0.15 cw(c100.75,0.9) 100,0.9

## Other copper
L1 Top:
  region net VCC3V3: 137.16,10.31 137.16,9.39 137.523,9.027 137.523,8.519 139.001,8.519 139.28,8.24 139.28,7.92 140.03,7.92 140.03,10.18 139.9,10.31
  region net VCC1V8: 123.529,26.351 123.529,27.701 123.47,27.76 120.54,27.76 120.37,27.59 120.71,27.25 122.48,27.25 122.783,26.947 122.783,26.792 123.223,26.351
  region net VCC1V8: 119.59,21.815 119.59,26.12 119.59,27.759 120.71,27.759 120.71,21.835
  region net +PV: 159.54,22.5 159.54,23.95 159.7,24.11 161.29,24.11 161.52,23.88 161.52,22.87 161.14,22.49 159.55,22.49
  region net +PV: 157.042,22.883 157.042,23.538 156.98,23.6 155.41,23.6 155.26,23.75 155.26,24.07 155.32,24.13 157.234,24.13 157.386,23.978 157.386,23.783 157.328,23.725 157.328,23.104
  region net +PV: 159.57,18.8 160.8,18.8 160.94,18.66 160.94,17.12 160.81,16.99 160.16,16.99 159.538,17.612 159.538,18.796
  region net +PV: 157.333,18.781 157.333,17.302 157.172,17.142 154.81,17.142 154.11,16.442 154.11,15.31 152.978,15.31 152.8,15.31 152.8,16.45 152.88,16.53 153.45,16.53 153.97,17.05 153.97,17.69 154.11,17.83 156.15,17.83 156.27,17.71 156.88,17.71 157.044,17.874 157.044,18.387
  region net NetIC2_16: 159.03,22.49 159.03,23.87 158.87,24.03 158.87,25.81 158.89,25.83 162.26,25.83 162.28,25.85 162.28,24.249 159.549,24.249 159.33,24.03 159.33,22.51
  region net +PV: 162.73,21.52 162.73,19.27 162.86,19.14 164.19,19.14 164.75,18.58 164.75,17.23 164.27,16.75 163.48,16.75 163.4,16.67 163.4,15.33 164.45,15.33 164.85,15.73 166.55,15.73 166.55,17.91 165.36,19.1 165.36,19.67 164.75,20.28 163.92,20.28 163.33,20.87 163.33,21.56
  region net NetIC2_6: 159.05,18.78 159.05,17.45 158.91,17.31 158.91,15.29 162.26,15.29 162.28,15.27 162.28,16.39 161.91,16.76 160.14,16.76 159.32,17.58 159.32,18.78
  region net NetIC2_3: 157.52,18.77 157.52,17.347 157.213,17.04 154.83,17.04 154.21,16.42 154.21,15.43 154.4,15.24 157.54,15.24 157.83,15.53 157.83,18.77
  region net NetIC2_19: 157.52,22.51 157.52,24.02 157.3,24.24 154.21,24.24 154.21,25.85 154.22,25.86 157.72,25.86 157.83,25.75 157.83,22.51
  region net VCC1V8: 158.9,29.72 164.49,29.72 164.49,24.485 163.29,24.485 162.79,24.985 162.79,26.485 161.99,27.285 158.9,27.285
  region net VCC3V3: 157.6,29.71 152,29.71 152,24.5 153.2,24.5 153.7,25 153.7,26.5 154.5,27.3 157.6,27.3
  region net VCC1V0: 157.6,13.8 154.2,13.8 152.99,12.59 152.99,10.4 157.6,10.4
  region net VCC1V5: 158.89,13.83 162.639,13.83 163.5,12.969 163.5,10.4 158.89,10.4
L8 Bot:
  region net VTTREF: 104.28,25.98 104.28,27.591 104.074,27.797 103.167,27.797 103.04,27.67 103.04,26.3 103.47,25.87 104.281,25.87
  region net GNDADC: 128.929,20.694 129.526,20.694 129.7,20.52 129.7,19.43 129.61,19.34 129.61,19 129.19,18.58 128.76,18.58 128.69,18.65 128.69,19.17 128.929,19.409 128.929,20.659
  region net VCC1V8: 130.5,17.64 130.5,19.02 130.41,19.11 130.39,19.09 129.79,19.09 129.79,18.09 130.24,17.64
  region net VCC1V0: 128.434,21.43 128.87,21.43 129.15,21.71 129.649,21.71 130.079,22.14 130.48,22.14 130.48,21.74 130.26,21.52 130.06,21.52 129.613,21.073 128.434,21.073
  region net DDRVTT: 105.472,9.906 105.472,10.694 104.02,10.694 104.02,8.382 106.299,8.382 106.299,9.017 107.823,9.017 107.823,8.382 108.372,8.382 108.372,9.906
  region net DDRVTT: 107.844,9.906 107.844,8.382 108.352,8.382 108.352,9.017 109.876,9.017 109.876,8.382 110.425,8.382 110.425,9.906
  region net DDRVTT: 109.897,9.906 109.897,8.382 110.405,8.382 110.405,9.017 111.929,9.017 111.929,8.382 112.478,8.382 112.478,9.906
  region net DDRVTT: 111.95,9.906 111.95,8.382 112.458,8.382 112.458,9.017 113.982,9.017 113.982,8.382 114.531,8.382 114.531,9.906
  region net DDRVTT: 114.004,9.906 114.004,8.382 114.512,8.382 114.512,9.017 116.036,9.017 116.036,8.382 116.584,8.382 116.584,9.906
  region net DDRVTT: 116.057,9.906 116.057,8.382 116.565,8.382 116.565,9.017 118.089,9.017 118.089,8.382 118.637,8.382 118.637,9.906
  region net VCC1V5: 107.9,25.26 108.03,25.39 109.6,25.39 109.63,25.36 109.62,25.35 109.62,24.34 108.87,24.34 108.55,24.66 107.9,24.66
  region net VCC3V3: 113.17,28.06 113.36,27.87 114.54,27.87 113.57,26.9 112.64,26.9 111.56,25.82 107.94,25.82 107.46,26.3 107.46,27.205 107.665,27.205 108.58,26.29 111.23,26.29 111.81,26.87 111.81,27.86 112.01,28.06 112.26,28.06
  region net VCC1V5: 105.51,23.59 105.51,21.849 105.331,21.67 104.44,21.67 104.3,21.53 104.3,20.3 106.77,20.3 106.77,21.59 106.41,21.95 106.41,22.44 106.095,22.755 105.67,22.755
  region net NetC105_2: 106.11,23.7 106.62,23.7 107.16,24.24 108.37,24.24 108.37,22.91 108.28,22.82 108.24,22.86 106.05,22.86 106.05,23.68
  region net DDRVTT: 105.03,23.69 105.03,22.71 104.95,22.63 104.48,22.63 104.32,22.79 104.32,23.69 103.42,23.69 103.03,24.08 100.79,24.08 100.79,22.69 102.32,21.16 102.32,20.64 102.68,20.28 103.8,20.28 103.8,21.73 103.94,21.87 105.02,21.87 105.31,22.16 105.31,23.7
  region net VCC3V3: 106.03,25.82 106.03,27.58 106.18,27.73 106.62,27.73 107,28.11 107.46,28.11 107.46,26.3 106.98,25.82
  region net GND: 115.617,20.89 116.75,20.89 116.91,20.89 116.91,19.83 116.106,19.83 115.856,19.58 114.76,19.58 114.76,19.95 114.92,20.11 115.27,20.11 115.36,20.2 115.36,20.59 114.88,21.07 114.77,21.07 114.66,21.18 114.66,22.35 114.82,22.51 115.15,22.51 115.214,22.446 115.214,21.293
  region net VCC1V5: 116.85,22.03 116.85,22.915 116.85,23.25 115.43,23.25 115.37,23.19 115.37,21.3 115.567,21.103 116.85,21.103

## Silkscreen, mask and mechanical layers (free items; w line width, h text height)
Top Solder:
  dashed: 126,0 123,0 123,2.9 126,2.9
Bottom Solder:
  dashed: 126.5,0 123.5,0 123.5,2.9 126.5,2.9